# Allegro board gps_interface_boardv49dc.brd (continued)
## Nets (continued)
R_P_SFP INTERFACE_SFP3: R170.2 U30.14
R_P_SFP INTERFACE_SFP4: R191.2 U34.14
R_P_SFP INTERFACE_SFP5: R212.2 U38.14
R_P_SFP INTERFACE_SFP6: R233.2 U42.14
RECOV_ACLK_CLK_N: C2738.2 R2693.2 U48.2
RECOV_ACLK_CLK_P: C2737.2 R2693.1 U48.1
RS_SFP INTERFACE_ACLK SFP: J30.7 R2681.2
RS_SFP INTERFACE_SFP1: J13.7 R129.2
RS_SFP INTERFACE_SFP2: J14.7 R150.2
RS_SFP INTERFACE_SFP3: J18.7 R171.2
RS_SFP INTERFACE_SFP4: J19.7 R192.2
RS_SFP INTERFACE_SFP5: J20.7 R213.2
RS_SFP INTERFACE_SFP6: J21.7 R234.2
RT_5V5: R42.1 U6.26
SFP_RD_N: J30.12 U107.4
SFP_RD_P: J30.13 U107.1
SFP_TD_N_SFP INTERFACE_SFP1: C141.2 J13.19 R122.2 R126.1
SFP_TD_N_SFP INTERFACE_SFP2: C164.2 J14.19 R143.2 R147.1
SFP_TD_N_SFP INTERFACE_SFP3: C187.2 J18.19 R164.2 R168.1
SFP_TD_N_SFP INTERFACE_SFP4: C210.2 J19.19 R185.2 R189.1
SFP_TD_N_SFP INTERFACE_SFP5: C233.2 J20.19 R206.2 R210.1
SFP_TD_N_SFP INTERFACE_SFP6: C256.2 J21.19 R227.2 R231.1
SFP_TD_P_SFP INTERFACE_SFP1: C140.2 J13.18 R121.2 R123.1
SFP_TD_P_SFP INTERFACE_SFP2: C163.2 J14.18 R142.2 R144.1
SFP_TD_P_SFP INTERFACE_SFP3: C186.2 J18.18 R163.2 R165.1
SFP_TD_P_SFP INTERFACE_SFP4: C209.2 J19.18 R184.2 R186.1
SFP_TD_P_SFP INTERFACE_SFP5: C232.2 J20.18 R205.2 R207.1
SFP_TD_P_SFP INTERFACE_SFP6: C255.2 J21.18 R226.2 R228.1
SPARE_BNC_CONN_0: IC2.2 P1.1 R109.1 TP79.1(TP)
SPARE_BNC_CONN_1: IC2.3 P1.3 R108.1 TP78.1(TP)
SPARE_LEMO_CONN_0: IC1.2 P1.5 R105.1 TP77.1(TP)
SPARE_LEMO_CONN_1: IC1.3 P1.7 R104.1 TP76.1(TP)
SPARE_RJ45_CM: C127.1 C128.1 C129.1 J17.P1 R116.1 R117.1 TP27.1(TP)
SQUELCH: R2687.1 U104.27
SS_2V5: C85.1 C2710.1 U12.13 U101.13
SS_3V3_1: C65.1 U9.13
SS_3V3_2: C76.1 U11.13
SS_5V: C57.1 U7.13
SYNC_OUT_N: R16.1 U3.6
SYNC_OUT_P: R15.1 U3.7
TEMP_ADDR: R253.1 U46.5 U46.6 U46.7
THRADJ: C2733.2 R2686.2 U104.9
VP2V5: R58.1 R2667.1 R2668.2 TP763.1(TP) U13.11
VP3V3: R52.2 R53.1 R54.1 U10.11
VP3V5: C49.1 C50.1 C51.1 C60.1 C61.1 C70.1 C71.1 C77.1 C78.1 C2650.1 C2660.1 L6.2 R41.1 TP11.1(TP) U6.1 U9.14 U9.15 U9.16 U9.17 U11.14 U11.15 U11.16 U11.17 U12.14 U12.15 U12.16 U12.17 U101.14 U101.15 U101.16 U101.17
VP5V: C54.1 C55.1 C56.1 C58.2 R45.1 R46.1 R2669.2 TP15.1(TP) U7.1 U7.19 U7.20 U8.11 U8.12(VDD)
VP5V5: C52.1 C53.1 C88.1 R2660.2 TP760.1(TP) U7.14 U7.15 U7.16 U7.17 U100.F3 U100.F4 U100.F5 U100.G3 U100.G4 U100.G5 U100.H3 U100.H4 U100.H5(VOUT_8)
VP12V: C40.1 C42.1 C43.1 C44.1 C87.1 FL1.2 TP9.1(TP) U6.4 U6.5 U6.6 U6.21 U6.22 U6.23(VIN6) U6.25 U100.A1 U100.A4 U100.A5 U100.B4 U100.B5
VREF: C2734.1 U104.3(VREF)
N00534: C1.1 R2.2 R4.1
N00638: C3.1 U1.4
N01450: C2732.1 U104.14
N01454: C2732.2 U104.15
N01590: R9.1 U1.7
N02604: C5.1 R10.2 R265.2 R266.1 U47.1
N02878: R10.1 U47.5
N89867: R21.2 U48.25
N89871: R20.2 U48.4
N89889: R22.2 U48.3
N89893: R19.2 U48.48
N89897: R19.1 R20.1 R21.1 R22.1
N90109: R26.2 U48.19
N90113: R25.2 U48.17
N90529: R23.2 U48.11
N91101: C36.1 U48.59
N91105: C37.1 U48.58
N107878: R24.2 U48.39
N127138: C1.2 U1.3
N140138: C2711.1 L6.1 U6.12 U6.13 U6.14 U6.15 U6.16
N146225: C62.1 C63.1 C64.1 R52.1 TP17.1(TP) U9.1 U9.2(SNS) U9.19 U9.20
N146320: R63.1 U9.6
N146332: R65.1 U9.11
N146446: R64.1 U9.10
N179430: C34.1 U48.51
N179442: C35.1 U48.50
N180853: C34.2 J100.3(SIG)
N180901: C35.2 J101.3(SIG)
N185241: C72.1 C73.1 C75.1 R54.2 U11.1 U11.2(SNS) U11.19 U11.20
N222361: D42.1(K) R2689.1 R2691.1
N222457: D43.2 R2689.2 U106.4(Y)
N222469: D43.1(CATHODE) R2690.1
N224400: J18.2 R166.2 U32.1 U53.16
N224404: J18.8 R167.2 U32.2 U53.15
N224432: J19.2 R187.2 U36.1 U53.20
N224436: J19.8 R188.2 U36.2 U53.19
N224464: J20.2 R208.2 U40.1 U52.7
N224468: J20.8 R209.2 U40.2 U52.6
N224492: J21.2 R229.2 U44.1 U52.11
N224496: J21.8 R230.2 U44.2 U52.10
N245271: D5.2 Q4.2(S)
N245311: D5.1(K) R51.1
N245859: D4.2 Q3.2(S)
N245899: D4.1(K) R44.1
N246142: D6.2 Q5.2(S)
N246182: D6.1(K) R57.1
N266416: J14.2 R145.2 U28.1 U53.11
N266420: J14.8 R146.2 U28.2 U53.10
N279924: C79.1 C80.1 C83.1 R2668.1 U12.1 U12.2(SNS) U12.19 U12.20
N280018: D7.2 Q6.2(S)
N280022: D7.1(K) R62.1
N304882: C17.1 U6.2
N322365: R70.1 U9.5
N322369: R112.1 U9.7
N322373: R113.1 U9.9
N323562: R114.1 U11.5
N323566: R115.1 U11.6
N323570: R118.1 U11.7
N323574: R255.1 U11.9
N323578: R256.1 U11.10
N323582: R257.1 U11.11
N325169: R259.1 U12.6
N325173: R260.1 U12.7
N325177: R261.1 U12.9
N325181: R262.1 U12.10
N325185: R263.1 U12.11
N325191: R258.1 U12.5
N339027: D2.2 Q1.2(S) R32.1
N339674: D1.1(CATHODE) R32.2 R33.1
N339693: D2.1(K) R34.1
N350589: J15.1 R110.1
N350593: J16.1 R111.1
N351209: J13.2 R124.2 U24.1 U53.7
N351234: J13.8 R125.2 U24.2 U53.6
N352210: J11.1 R106.1
N352214: J12.1 R107.1
N361011: J30.8 R2677.2 U53.4 U105.2
N361478: J30.2 R2676.2 U53.5 U105.1
N361490: U53.9 U104.16 U106.1
N361502: U53.8 U104.22 U106.2
N437368: J17.P6 J17.P7 J17.P8 J17.P9 R254.2
N437754: J17.P12 R43.2
N437768: J17.P13 R39.2
N575036: R93.1 U19.1
N575058: R94.1 U19.2
N575080: R95.1 U19.21
N576735: R81.1 U17.8
N576751: R82.1 U18.8
N635255: D8.2 Q7.2(S)
N635295: D8.1(K) R37.1
N637994: D15.2 Q12.2(S)
N638034: D15.1(CATHODE) R80.1
N638123: Q12.1 U15.4
N638285: R78.2 R79.1 U15.3
N638693: D14.2 Q11.2(S)
N638733: D14.1(K) R74.1
N665913: C123.2 R254.1
N716600: U107.2(VT) U107.3
N717829: C2748.1 U107.10
N717833: C2747.1 U107.9
N727253: C2749.1 C2750.1 L22.1 R2694.2 R2695.2 Y2.6(VDD)
N755066: C277.1 Y1.4
N755111: C276.2 R1540.1 U48.8
N755152: C277.2 R1540.2 U48.9(XB)
N755804: R2670.1 Y1.1
N755834: R1550.2 Y1.2
N755912: L19.1 R1550.1 R2670.2 Y1.6(VDD)
N764207: R2694.1 Y2.1
N764211: R2695.1 Y2.2
N804236: R2640.1 U100.B1
N804492: R2650.1 U100.A2
N808323: C2670.1 C2680.1 C2690.1 R2667.2 U101.1 U101.2(SNS) U101.19 U101.20
N808573: R2661.1 U101.5
N808577: R2662.1 U101.6
N808581: R2663.1 U101.7
N808585: R2664.1 U101.9
N808589: R2665.1 U101.10
N808593: R2666.1 U101.11
N811210: C2711.2 U6.11
N812156: R2669.1 U7.2(SNS)
N812455: C276.1 Y1.5

Pads without a net: J8 C8 C19 C22 C23 D29 D30 D31 D33 D35 G28 G33 G34 H1 H2; U2 4 5 8; U3 4 5 8; U6 27 28 29; U7 5 6 7 9 10 11 12; U8 9; U9 12; U10 2 9; U11 12; U12 12; U13 9; U15 5; U17 6 9; U22 13 16; U26 13 16; U30 13 16; U34 13 16; U38 13 16; U42 13 16; U47 6; U48 5 7 10 20 21 53 54 55 56; U49 7; U52 4 5 8 9 19; U53 13 14 17 18; U101 12; U102 2 3 7

## Via types
v1: diameter 0.914, hole 0.406, TOP to BOTTOM, 1398 vias

## Routing (per net, layer and track width the routed paths; a pad name or vN(x,y) marks a point on that pad's centre or on a via; arc(x,y) is an arc through that point)
12V_FANS: length 16.9
  TOP w0.508: J28.2 17.07,6.94 F2.2
  BOTTOM w0.17: C3715.1 C3712.1 ; C3714.1 C3713.1
  BOTTOM w0.635: C3713.1 11.5,10.31 13.64,10.31 J28.2 ; J27.2 5.89,127.23 C3712.1
GND_POWER: length 631
  TOP w0.165: R44.2 v1(15.19,31.37) ; U104.8 135.79,73.61 v1(136.29,74.11) ; U104.11 136.79,71.06 v1(137.54,70.31) 137.29,70.06 U104.13 ; v1(135.25,62.59) 135.19,62.65 R2688.2 ; U6.9 13.38,43.03 13.39,43.03 ; U6.8 12.88,42.63 12.88,42.62 ; v1(10.09,46.23) 10.38,46.52 U6.24 ; C2743.2 v1(140.97,95.45) ; U104.7 v1(136.29,74.11) ; v1(136.29,74.11) 136.79,73.61 U104.6 ; C2730.2 C2725.1 v1(130.05,68.33) ; U100.G2 v1(13.53,20.51) ; U7.18 12.83,67.49 ; U100.E5 v1(10.99,25.42) ; R26.1 v1(112.01,72.16) ; U100.C2 v1(7.35,20.51) ; C2733.1 v1(132.77,74.32) ; U6.19 12.88,48.15 12.88,48.16 ; C2744.2 v1(140.97,87.55) ; C2723.1 C2728.2 v1(142.95,66.57) ; 136.25,8.76 C100.2 ; 12.57,48.13 12.38,47.94 U6.20 ; U100.D3 v1(8.62,22.88) ; U100.H2 v1(14.8,20.51) ; v1(146.91,74.73) C2726.1 C2722.1 C2731.2 C2727.2 ; C2741.1 v1(133.63,95.45) ; 13.89,43 13.88,43.01 U6.10 ; 10.21,42.65 10.38,42.82 U6.3 ; U100.E3 v1(10.99,22.88) ; R18.2 v1(38.27,127.6) ; R2691.2 v1(129.29,97.28) ; U100.E4 v1(10.99,24.15) ; v1(138.96,66.47) 138.96,66.78 138.79,66.95 U104.23 ; U9.8 v1(44.25,82.55) ; C2746.2 v1(135.13,87.55) ; R2686.1 v1(133.73,74.02) ; U100.D5 v1(8.62,25.42) ; U11.8 44.22,99.87 ; U104.17 134.63,67.86 134.16,67.38 C2729.2 C2724.1 133.6,65.07 v1(132.99,64.47) ; U100.E1 v1(10.99,19.24) ; U12.18 44.27,62.26 ; U6.18 13.38,48.11 13.39,48.11 ; U100.F2 v1(12.26,20.51) ; R2684.2 110.17,124.41 R2685.2 v1(110.17,127.7) ; v1(126.24,22.1) 126.06,22.28 C107.2 ; U107.6 135.73,91.77 v1(135.48,91.52) 135.73,91.27 U107.7 ; U6.7 12.38,42.86 12.62,42.62 ; C2745.2 v1(135.13,95.45) ; U100.D1 v1(8.62,19.24) ; U105.3 v1(120.74,121.93) ; U100.H1 v1(14.8,19.24) ; v1(110.49,72.19) R25.1 ; C2740.1 v1(142.49,87.55) ; U107.14 140.36,91.27 v1(140.61,91.52) 140.36,91.77 U107.15 ; R2640.2 v1(6.12,15.37) ; U12.8 44.27,67.01 ; C112.2 v1(102.88,36.2) ; C18.1 125.02,82.75 125.2,82.58 v1(125.35,82.58) ; U100.D4 v1(8.62,24.15) ; R2650.2 v1(2.84,18.36) ; U100.E2 v1(10.99,20.51) ; 13.87,48.11 13.88,48.09 U6.17 ; C2739.1 v1(142.49,95.45) ; R2687.2 v1(145.06,69.14) ; U106.3 v1(145.41,92.23) ; U100.F1 v1(12.26,19.24) ; U100.G1 v1(13.53,19.24) ; U7.8 12.83,72.24 ; R14.2 v1(11.76,126.44) ; U101.8 44.27,49 ; C2742.1 v1(133.63,87.53) ; R17.2 v1(46.07,127.8) ; U100.C1 v1(7.35,19.24) ; C2734.2 v1(139.65,75.2) ; U9.18 44.25,80.26 ; U100.D2 v1(8.62,20.51)
  TOP w0.17: R228.2 v1(169.62,87.27) ; R207.2 v1(191.74,87.27) ; R231.2 v1(169.62,80.14) ; R186.2 v1(214.05,87.27) ; U22.9 284.01,83.27 v1(284.25,83.03) ; R212.1 187.74,87.92 v1(188.65,88.82) ; R168.2 v1(243.26,80.14) ; U26.9 261.94,83.37 v1(262.18,83.13) ; R144.2 v1(265.56,87.27) ; v1(166.52,88.82) 165.62,87.92 R233.1 ; R189.2 v1(214.05,80.14) ; v1(210.95,88.82) 210.05,87.92 R191.1 ; v1(262.46,88.82) 261.56,87.92 R149.1 ; v1(239.88,83.13) 239.64,83.37 U30.9 ; R128.1 283.63,87.82 v1(284.53,88.72) ; R165.2 v1(243.26,87.27) ; R170.1 239.26,87.92 v1(240.16,88.82) ; R123.2 v1(287.63,87.17) ; U38.9 188.13,83.37 v1(188.37,83.13) ; U42.9 166,83.37 v1(166.24,83.13) ; R210.2 v1(191.74,80.14) ; R126.2 v1(287.63,80.04) ; v1(210.67,83.13) 210.43,83.37 U34.9 ; R147.2 v1(265.56,80.14)
  TOP w0.203: J20.14 187.77,113.27 187.05,114 v1(187.01,114) ; R72.1 65.82,12.6 65.6,12.83 v1(65.1,12.83) ; J19.9 208.07,118.95 v1(207.67,118.54) ; v1(78.59,135.33) 79.34,134.58 U1.5 ; J19.1 v1(215.24,120.28) ; v1(264.67,114) 264.01,113.34 J14.17 ; J18.20 v1(244.86,112.08) ; J19.14 210.07,113.27 209.35,114 v1(209.31,114) ; J18.1 v1(244.47,120.28) ; U19.12 90.74,106.74 v1(90.25,106.25) ; J20.17 190.17,113.34 v1(190.83,114) ; R73.1 v1(65.25,15.93) ; R71.1 v1(65.38,8.99) ; v1(110.72,36.55) 111.33,35.94 U17.7 ; J13.17 286.08,113.39 v1(286.74,114.05) ; J18.10 v1(235.76,120.28) ; R248.2 212.4,12.94 v1(211.96,12.5) ; R1.2 v1(83.85,129.72) ; J20.11 v1(184.58,112.08) ; J13.1 v1(288.85,120.33) ; J30.10 v1(132.87,120.28) ; v1(139.47,114) 138.81,113.34 J30.17 ; v1(24.66,59.49) 25.03,59.85 U8.4 ; J19.17 212.47,113.34 v1(213.13,114) ; J14.14 261.61,113.27 260.88,114 v1(260.85,114) ; U3.2 42.57,134.49 v1(42.88,134.8) ; J19.11 v1(206.88,112.08) ; R105.2 v1(280.78,15.86) ; v1(137.79,10.3) 136.25,8.76 ; U52.12 v1(205.59,19.79) ; J13.20 v1(289.23,112.13) ; v1(164.88,114) 164.92,114 165.65,113.27 J21.14 ; J19.20 v1(215.62,112.08) ; U49.4 v1(71.82,9.3) ; J30.11 v1(133.22,112.08) ; J13.9 281.68,119 v1(281.28,118.59) ; v1(17.51,134.77) 17.15,134.41 U2.2 ; J30.20 v1(141.96,112.08) ; J19.10 v1(206.53,120.28) ; R13.2 v1(20.65,127.52) ; v1(135.65,114) 135.69,114 136.41,113.27 J30.14 ; J21.20 v1(171.2,112.08) ; U15.2 v1(88.49,4.55) ; v1(168.71,114) 168.05,113.34 J21.17 ; R9.2 v1(75.18,132.6) ; v1(66.7,80.19) 66.34,80.55 U10.4 U10.5 v1(66.67,81.05) ; U18.9 107.74,35.73 v1(108.18,36.17) ; U47.3 62.63,136.52 v1(62.12,137.03) ; v1(282.92,114.05) 282.96,114.05 283.68,113.32 J13.14 ; R249.2 v1(225.35,10.62) ; R264.2 v1(68.21,137.92) ; v1(185.37,118.54) 185.77,118.95 J20.9 ; U8.5 25.53,59.84 v1(25.9,59.47) ; 8.05,45.62 8.35,45.32 U6.30 ; J20.10 v1(184.23,120.28) ; v1(15.46,85.04) U46.4 v1(13.64,86.61) ; v1(163.25,118.54) 163.65,118.95 J21.9 ; R108.2 v1(292.37,15.86) ; v1(130.18,10.3) 129.25,9.38 C101.2 ; R253.2 v1(24.88,88.1) ; J18.17 241.71,113.34 v1(242.37,114) ; J20.1 v1(192.94,120.28) ; R250.2 v1(208.69,10.69) ; J13.11 v1(280.49,112.13) ; J30.1 v1(141.58,120.28) ; U13.4 v1(56.47,54.05) ; J13.10 v1(280.14,120.33) ; v1(134.01,118.54) 134.41,118.95 J30.9 ; R49.1 v1(22.61,59.26) ; R79.2 v1(84.84,6.07) ; J14.10 v1(258.06,120.28) ; J21.10 v1(162.1,120.28) ; J18.14 239.31,113.27 238.58,114 v1(238.54,114) ; v1(236.91,118.54) 237.31,118.95 J18.9 ; J14.20 v1(267.16,112.08) ; v1(259.21,118.54) 259.61,118.95 J14.9 ; J20.20 v1(193.32,112.08) ; U13.5 56.97,54.61 v1(57.51,54.08) ; J14.11 v1(258.42,112.08) ; R267.2 v1(14.69,136.02) ; J21.1 v1(170.81,120.28) ; J14.1 v1(266.78,120.28) ; U53.12 v1(221.82,19.89) ; R104.2 v1(285.38,15.91) ; J18.11 v1(236.12,112.08) ; R268.2 v1(41.01,137.08) ; J21.11 v1(162.46,112.08) ; R109.2 v1(287.82,15.86)
  TOP w0.254: v1(141.38,71.37) 141.06,71.06 U104.30
  TOP w0.305: R39.1 v1(266.57,17.14) ; R43.1 v1(233.04,9.86) ; v1(60.7,133.63) 61.44,134.37 U47.4 ; IC2.4 291.33,22.73 291.35,22.71 v1(291.85,22.71) ; v1(125.22,18.97) 125.6,19.35 C105.2 ; C106.2 v1(126.06,27.71) ; IC1.4 v1(285.34,22.76)
  TOP w0.33: C2749.2 v1(182.55,23.88) ; C111.2 v1(116.92,27.43) ; C110.1 v1(102.06,26.82) ; C2750.2 v1(182.55,25.53) ; C109.1 v1(116.99,36.42)
  TOP w0.343: R23.1 102.08,78.97 101.55,78.44 101.55,77.14 102.06,76.63 103.47,76.63 C15.1 C14.1 v1(104.65,75.39)
  BOTTOM w0.165: R2663.2 v1(44.78,52.78) ; R196.2 v1(204.17,76.33) ; C135.1 281.99,116.87 ; C20.1 C28.1 114.53,87.17 v1(115.14,87.78) ; R175.2 v1(234,75.55) ; v1(49.68,47.45) 49.58,47.55 R2661.2 ; R256.2 v1(42.7,103.68) ; U24.3 v1(278.87,81.56) ; v1(121.01,74.73) 121.81,75.53 C24.1 C26.1 ; R114.2 49.53,98.42 v1(49.63,98.32) ; C182.1 243.1,116.87 ; R2662.2 v1(45.8,52.81) ; R115.2 v1(45.75,103.68) ; R2666.2 v1(38.66,47.52) ; R255.2 v1(43.71,103.68) ; R64.2 v1(42.75,88.09) ; R117.2 v1(241.07,20.55) ; R36.2 4.47,48.38 4.42,48.32 v1(3.47,48.32) ; R263.2 v1(38.2,65.58) ; R118.2 v1(44.73,103.66) ; C127.2 v1(238.1,17.02) ; v1(129.59,74.09) 129.11,74.09 129.09,74.07 C29.2 ; C3714.2 C3713.2 ; C128.2 v1(239.67,17.02) ; R257.2 v1(38.61,98.4) ; R259.2 v1(45.8,70.51) ; v1(112.01,72.16) 112.82,72.16 C27.1 ; R261.2 v1(43.76,70.48) ; v1(119.17,72.86) C19.1 C25.1 ; R70.2 v1(49.76,83.54) ; R63.2 v1(45.75,88.11) ; R260.2 v1(44.78,70.51) ; v1(125.43,79.63) 125.93,79.63 126.47,79.1 C22.2 ; U40.3 v1(182.98,81.66) ; R113.2 v1(43.76,88.09) ; R2664.2 v1(43.76,52.81) ; R258.2 v1(49.94,65.53) ; U32.3 v1(234.49,81.66) ; C3715.2 C3712.2 ; R262.2 v1(42.75,70.51) ; C129.2 v1(236.45,17.02) ; C136.1 v1(287.38,116.03) ; R65.2 v1(38.66,83.57) ; U36.3 v1(205.28,81.66) ; R112.2 v1(44.75,88.11) ; v1(119.74,87.55) 119.14,86.96 C23.1 ; R2665.2 v1(42.75,52.81)
  BOTTOM w0.203: U44.3 159.96,81.56 v1(160.71,81.56) ; C2712.2 v1(131.5,99.19) ; v1(144.37,99.31) 144.07,99.62 C2713.2 ; v1(56.54,77.09) 57.05,77.6 C69.1 ; v1(92,14.99) 92,15.58 R80.2 ; C180.1 v1(232.55,104.98) ; R132.2 v1(276.41,106.64) ; v1(277.44,104.93) 276.93,104.41 C134.1 ; R217.2 v1(184.53,76.33) ; v1(248.11,105.11) 248.68,104.54 C183.1 ; C204.1 208.38,116.84 v1(208.38,115.82) ; C158.1 259.92,116.87 v1(259.92,115.82) ; C155.2 v1(256.67,99.19) ; C271.1 v1(201.88,15.62) ; C160.1 v1(270.98,105.23) ; C202.2 v1(205.16,99.19) ; C123.1 v1(262.83,20.08) ; 281.99,116.87 v1(281.99,115.87) ; C84.1 v1(59.69,58.6) ; C2714.1 v1(134.72,115.82) ; C132.2 v1(291.31,99.52) ; v1(130.48,104.88) 129.68,104.08 C2717.1 ; v1(159.72,104.88) 158.92,104.08 C249.1 ; C74.2 v1(66.29,77.62) ; C59.2 21.84,60.7 21.06,59.92 v1(21.06,59.31) ; C227.1 186.08,116.92 v1(186.08,115.82) ; C229.1 v1(197.16,105.23) ; C3.2 v1(78.85,138.51) ; C206.1 v1(219.47,105.21) ; C115.2 v1(292.4,27.2) ; v1(265.41,115.82) 265.41,116.87 C159.1 ; C203.1 v1(203.34,104.93) ; C252.1 v1(175.04,105.28) ; 243.1,116.87 v1(243.1,115.82) ; R154.2 v1(254.2,75.08) ; R133.2 v1(276.28,74.98) ; C228.1 191.57,116.87 v1(191.57,115.82) ; C270.1 v1(218.14,15.37) ; R110.2 v1(301.42,17.55) ; R2690.2 v1(129.15,106.74) ; U28.3 255.82,81.64 v1(256.95,81.64) ; R93.2 v1(87.71,116.48) ; R174.2 v1(232.04,106.79) ; C119.2 v1(285.52,27.28) ; R33.2 v1(100.7,66.04) ; v1(247.75,25.91) 247,26.66 247,27.32 246.66,27.66 U5.2 ; C17.2 v1(10.03,37.31) ; R237.2 v1(158.38,106.74) ; v1(218.29,98.5) 218.29,99.16 218.23,99.22 218.23,100.26 C201.2 ; R94.2 v1(87.71,113.72) ; R95.2 103.89,111.91 v1(104.17,112.19) ; v1(173.61,99.31) 173.3,99.62 C248.2 ; R153.2 v1(254.34,106.74) ; R238.2 v1(162.41,76.33) ; R216.2 v1(180.5,106.69) ; v1(213.87,115.82) 213.87,116.89 C205.1 ; C225.2 v1(195.43,99.62) ; v1(237.62,115.82) 237.62,116.87 C181.1 ; v1(292.56,105.13) 293.05,104.64 C137.1 ; C86.2 54.05,54.51 v1(54.79,53.77) ; R47.2 v1(13.41,75.16) ; R4.2 v1(83.87,137.59) ; C224.2 v1(182.86,99.19) ; C156.2 v1(269.24,99.06) ; C251.1 v1(169.44,115.82) ; R34.2 v1(100.7,70.38) ; v1(181.58,105.05) 181.04,104.51 C226.1 ; C2719.1 v1(145.81,105.28) ; R62.2 v1(56.88,74.46) ; C178.2 v1(234.37,99.19) ; C2718.1 v1(140.21,115.82) ; C133.2 v1(278.74,99.29) ; C250.1 v1(163.96,115.82) ; C272.1 v1(18.08,91.87) ; C113.2 v1(99.28,116.37) ; R195.2 v1(202.81,106.77) ; C179.2 v1(246.94,99.34) ; R74.2 v1(86.01,18.03) ; C58.1 v1(28.04,64.85) ; C247.2 v1(160.73,99.19) ; C157.1 v1(254.85,104.95)
  BOTTOM w0.305: C5.2 v1(60.11,134.24) ; C103.2 74.14,9.27 v1(73.53,8.66) ; v1(73.48,17.65) 74.3,16.84 C102.2 ; C7.2 v1(88.8,132.11) ; C104.2 74.36,12.7 v1(73.74,12.08) ; C97.2 127.09,21.71 126.7,22.1 v1(126.24,22.1) ; C9.2 v1(89.41,133.32) ; R51.2 v1(26.95,78.51) ; C99.2 116.59,20.65 v1(115.62,21.62) ; v1(61.44,129.49) 62.09,130.15 C6.2 ; v1(279.43,15.44) 279.43,14.65 279.95,14.12 C117.2 ; C11.1 v1(45.83,137.13) ; C10.1 v1(29.7,136.57) ; C8.2 v1(84.81,132.15) ; R106.2 v1(271.17,17.45) ; R37.2 v1(101.31,100.13) ; C108.2 v1(73.42,16.27) ; C116.2 v1(278.26,15.9) ; C13.2 v1(96.57,70.41) ; R57.2 v1(58.34,106.15) ; C12.1 v1(28.71,133.71) ; C98.2 116.51,17.37 v1(115.93,16.79) ; C16.2 v1(93.22,65)
  BOTTOM w0.33: 156.84,10.69 156.46,10.31 153.37,10.31 153.03,10.64 J8.G20 ; J8.H12 162.41,14.12 v1(162.41,15.11) ; C253.2 C254.2 166.52,88.83 v1(166.52,88.82) ; C138.2 C139.2 284.53,88.72 v1(284.53,88.72) ; v1(262.46,88.82) 262.46,88.83 C162.2 C161.2 ; v1(188.65,88.82) 188.64,88.83 C231.2 C230.2 ; v1(240.16,88.82) 240.16,88.83 C185.2 C184.2 ; J8.D3 J8.D2 ; v1(166.22,15.11) 166.22,14.12 J8.H9 ; J8.G5 J8.G4 ; v1(210.95,88.82) 210.95,88.83 C208.2 C207.2
  BOTTOM w0.381: J8.D34 J8.C34 v1(135.25,5.75) ; J8.D13 J8.C13 v1(161.93,5.22) ; 169.54,8.26 J8.D6 J8.C5 v1(172.09,5.22) ; J8.D19 J8.C20 v1(153.03,5.22) ; J8.H3 J8.G4 v1(173.35,10.3) ; v1(151.76,5.22) 151.76,6.99 J8.D22 v1(150.5,10.02) ; v1(130.18,6.2) J8.C38 J8.D37 ; v1(144.15,15.1) J8.H27 J8.G26 ; v1(132.72,15.1) J8.H36 J8.G35 v1(133.99,10.3) ; v1(160.66,10.3) J8.G14 159.38,13.34 v1(159.38,15.1) ; J8.C32 v1(137.79,5.75) ; J8.G5 J8.H6 v1(170.81,15.1) ; J8.C24 v1(147.96,5.22) ; v1(146.69,10.02) J8.D25 J8.C25 v1(146.69,5.22) ; J8.G23 J8.H24 v1(147.96,15.1) ; J8.D3 J8.C4 ; v1(126.94,6.29) J8.C40 J8.D39 ; J8.C33 v1(136.53,5.75) ; v1(137.79,10.3) J8.G32 J8.H33 v1(136.53,15.1) ; J8.G40 v1(126.71,12.06) ; J8.D2 177.16,6.99 v1(177.16,5.22) ; J8.C17 v1(156.84,5.22) ; J8.C36 v1(132.72,6.07) ; 156.84,10.69 J8.G17 J8.H18 v1(155.57,15.1) ; v1(128.91,15.1) J8.H39 J8.G38 v1(130.18,10.3) ; v1(142.88,5.22) J8.C28 J8.D28 v1(142.88,10.02) 142.21,10.68 142.21,11.46 J8.H30 v1(140.34,15.1) ; J8.G11 J8.H12 ; J8.C12 v1(163.19,5.22) ; v1(151.76,15.1) 151.76,13.34 J8.G20 ; 141.6,6.99 v1(141.6,5.22) ; 177.16,12.06 v1(177.16,10.69) ; J8.D10 J8.C9 v1(167,5.22) ; v1(158.12,5.22) J8.C16 J8.D16 v1(158.12,10.02) ; J8.G8 J8.H9
  BOTTOM w0.635: J28.3 13.64,7.77 11.71,7.77 C3713.2 ; J27.3 6,125.5 C3712.2
  vias: v1(3.32,36.09) v1(3.55,55.42) v1(3.71,52.91) v1(3.66,51.56) v1(3.66,50.19) v1(3.71,39.7) v1(3.71,38.33) v1(3.76,41.05) v1(4.24,36.09) v1(4.47,55.42) v1(4.8,52.91) v1(4.78,51.59) v1(4.8,50.19) v1(4.83,39.73) v1(4.85,41.05) v1(4.85,38.33) v1(5.18,36.07) v1(5.33,73.43) v1(5.41,55.4) v1(5.94,52.91) v1(5.99,51.64) v1(5.99,50.19) v1(5.99,41.05) v1(6.05,39.78) v1(6.05,38.33) v1(6.25,73.43) v1(6.78,60.52) v1(7.19,73.41) v1(7.69,60.53) v1(8.15,36.11) v1(8.38,55.44) v1(8.63,60.5) v1(9.07,36.12) v1(9.29,55.45) v1(10.01,36.1) v1(10.09,44.91) v1(10.23,55.42) v1(11.61,60.55) v1(11.63,46.23) v1(11.63,44.91) v1(12.19,70.41) v1(12.19,69.14) v1(12.52,60.55) v1(12.83,69.77) v1(13,36.11) v1(13.23,55.44) v1(13.18,46.23) v1(13.18,44.91) v1(13.46,70.41) v1(13.46,69.14) v1(13.46,60.53) v1(13.92,36.12) v1(14.15,55.45) v1(14.86,36.1) v1(15.09,55.42) v1(16.46,60.55) v1(17.37,60.55) v1(18.06,73.43) v1(18.31,60.53) v1(18.31,56.11) v1(18.26,54.76) v1(18.26,53.39) v1(18.44,37.77) v1(18.39,36.42) v1(18.39,35.05) v1(18.97,73.43) v1(19.41,56.11) v1(19.38,54.79) v1(19.41,53.39) v1(19.53,37.77) v1(19.51,36.45) v1(19.53,35.05) v1(19.91,73.41) v1(20.55,56.11) v1(20.6,54.84) v1(20.6,53.39) v1(20.68,37.77) v1(20.73,36.5) v1(20.73,35.05) v1(20.73,31.45) v1(20.68,30.1) v1(20.68,28.73) v1(21.82,31.45) v1(21.79,30.12) v1(21.82,28.73) v1(22.96,31.45) v1(23.01,30.18) v1(23.01,28.73) v1(24.21,31.47) v1(24.16,30.12) v1(24.16,28.75) v1(25.1,62.51) v1(25.07,61.67) v1(25.3,31.47) v1(25.27,30.15) v1(25.3,28.75) v1(25.98,62.51) v1(25.96,61.67) v1(26.44,31.47) v1(26.49,30.2) v1(26.49,28.75) v1(36.53,40.13) v1(36.75,101.06) v1(36.83,68.12) v1(36.78,57.58) v1(36.8,50.19) v1(37.59,40.13) v1(37.67,101.07) v1(37.74,68.12) v1(37.72,50.19) v1(37.85,57.58) v1(38.15,73.3) v1(38.35,87.73) v1(38.61,101.04) v1(38.68,68.1) v1(38.66,50.17) v1(38.66,40.13) v1(38.91,57.58) v1(39.06,73.3) v1(39.27,87.73) v1(39.73,40.13) v1(40,73.28) v1(39.98,57.58) v1(40.21,87.71) v1(40.79,40.13) v1(41.05,57.58) v1(41.86,40.13) v1(42.11,57.58) v1(42.93,40.13) v1(42.97,73.32) v1(43.18,57.58) v1(43.59,98.04) v1(43.59,96.77) v1(43.61,83.19) v1(43.61,81.92) v1(43.64,65.18) v1(43.64,63.91) v1(43.64,47.17) v1(43.64,45.9) v1(43.89,73.33) v1(43.99,40.13) v1(44.22,97.41) v1(44.25,57.58) v1(44.27,64.54) v1(44.27,46.53) v1(44.83,73.31) v1(44.86,98.04) v1(44.86,96.77) v1(44.88,83.19) v1(44.88,81.92) v1(44.91,65.18) v1(44.91,63.91) v1(44.91,47.17) v1(44.91,45.9) v1(44.86,28.78) v1(45.06,40.13) v1(46.13,40.13) v1(47.19,40.13) v1(47.83,73.32) v1(48.03,87.75) v1(48.26,40.13) v1(48.74,73.33) v1(48.94,87.76) v1(49.33,40.13) v1(49.48,101.06) v1(49.53,50.19) v1(49.68,73.31) v1(49.71,68.19) v1(49.88,87.73) v1(50.39,101.07) v1(50.39,40.13) v1(50.62,68.2) v1(51.33,101.04) v1(51.46,40.13) v1(51.56,68.18) v1(56.97,56.85) v1(57.28,97.33) v1(57.51,79.55) v1(58.42,97.33) v1(58.65,79.55) v1(59.61,97.33) v1(59.84,79.55) v1(63.58,81.48) v1(63.55,80.64) v1(64.44,80.64) v1(64.47,81.48) v1(78.94,132.99) v1(78.94,132.16) v1(80.11,132.99) v1(80.09,132.16) v1(81.23,132.16) v1(81.25,132.99) v1(93.19,84.12) v1(97.96,90.35) v1(108.92,96.04) v1(112.85,81.58) v1(112.88,80.44) v1(112.85,79.3) v1(112.88,78.16) v1(114.1,81.61) v1(114.12,80.47) v1(114.1,79.32) v1(114.12,78.18) v1(115.03,101.19) v1(115.03,98.24) v1(115.32,81.61) v1(115.34,80.47) v1(115.32,79.32) v1(115.34,78.18) v1(116.64,81.61) v1(116.64,79.32) v1(116.66,80.47) v1(116.66,78.18) v1(121.22,101.19) v1(121.22,98.24) v1(136.32,86.06) v1(138.05,91.52) v1(138.76,86.06) v1(163.86,84.12) v1(180.37,23.09) v1(185.98,84.12) v1(200.81,21.56) v1(208.28,84.12) v1(219,17.17) v1(231.04,18.85) v1(233.78,20.83) v1(237.49,84.12) v1(259.79,84.12) v1(281.86,84.02) v1(287.3,35.18) v1(292.91,35.23)
VCC2V5: length 75.6
  TOP w0.17: R130.1 v1(279.08,88.42) ; R193.1 v1(205.5,88.52) ; R119.1 v1(285.55,86.97) ; R182.1 v1(211.96,87.07) ; R120.1 v1(285.55,80.59) ; R224.1 v1(167.54,87.07) ; R161.1 v1(241.17,87.07) ; L19.2 v1(100.34,74.65) ; R204.1 v1(189.66,80.7) ; R141.1 v1(263.47,80.7) ; R214.1 v1(183.2,88.52) ; R203.1 v1(189.66,87.07) ; 94.98,89.37 94.97,89.38 ; R172.1 v1(234.71,88.52) ; R225.1 v1(167.54,80.7) ; R151.1 v1(257.01,88.52) ; R235.1 v1(161.07,88.52) ; R183.1 v1(211.96,80.7) ; R140.1 v1(263.47,87.07) ; R162.1 v1(241.17,80.7)
  TOP w0.203: 57.48,60.33 57.47,60.32 U13.10 ; v1(262.25,85.88) 262.25,85.32 261.82,84.89 261.62,84.89 261.6,84.87 U26.12 ; U34.12 210.09,84.87 210.1,84.89 210.31,84.89 210.74,85.32 v1(210.74,85.88) ; v1(287.83,26.87) 288.87,25.83 IC2.8 ; U30.12 239.3,84.87 239.31,84.89 239.52,84.89 239.95,85.32 v1(239.95,85.88) ; v1(166.32,85.88) 166.32,85.32 165.89,84.89 165.68,84.89 165.67,84.87 U42.12 ; v1(188.44,85.88) 188.44,85.32 188.01,84.89 187.8,84.89 187.79,84.87 U38.12 ; IC1.8 281.41,25.86 280.91,26.36 v1(280.91,26.84) ; U22.12 283.68,84.77 283.69,84.79 283.9,84.79 284.33,85.22 v1(284.33,85.78)
  TOP w0.305: U47.8 63.63,129.11 v1(64.38,128.37)
  TOP w0.33: v1(103.56,25.83) 103.83,26.1 C110.2 103.84,26.83 U18.2 ; U17.14 115.23,27.44 C111.1 v1(115.22,26.64)
  BOTTOM w0.17: R116.2 234.23,19.81 v1(233.48,19.81)
  BOTTOM w0.203: v1(166.32,85.88) 166.32,86.27 165.5,87.1 C254.1 C253.1 ; R82.2 v1(106.84,31.07) ; C230.1 C231.1 187.62,87.1 188.44,86.27 v1(188.44,85.88) ; v1(247.62,29.46) 247.09,28.93 247.09,27.94 247.37,27.66 U5.5 ; C184.1 C185.1 239.13,87.1 239.95,86.27 v1(239.95,85.88) ; C207.1 C208.1 209.92,87.1 210.74,86.27 v1(210.74,85.88) ; C161.1 C162.1 261.43,87.1 262.25,86.27 v1(262.25,85.88) ; v1(284.33,85.78) 284.33,86.17 283.5,86.99 C139.1 C138.1 ; v1(280.91,26.84) 281.36,27.28 C119.1 ; v1(287.83,26.87) 288.16,27.2 C115.1
  BOTTOM w0.305: v1(64.38,128.37) 63.82,128.92 C6.1
  vias: v1(53.9,62.84) v1(53.9,61.44) v1(54.99,62.81) v1(54.99,61.44) v1(56.11,62.84) v1(56.13,61.44) v1(57.33,62.84) v1(57.33,61.44) v1(60.76,62.84) v1(60.76,61.44) v1(61.8,61.44) v1(61.93,62.84) v1(62.94,61.44) v1(63.07,62.84) v1(64.11,61.42) v1(64.24,62.84) v1(92.41,91.82) v1(92.41,90.75) v1(92.41,89.69) v1(93.47,91.82) v1(93.47,90.75) v1(93.47,89.69)
